# Altium PCB IT_Asset_Tracking_Rack_Controller-H743.PcbDoc (part 1 of 4) (continued)
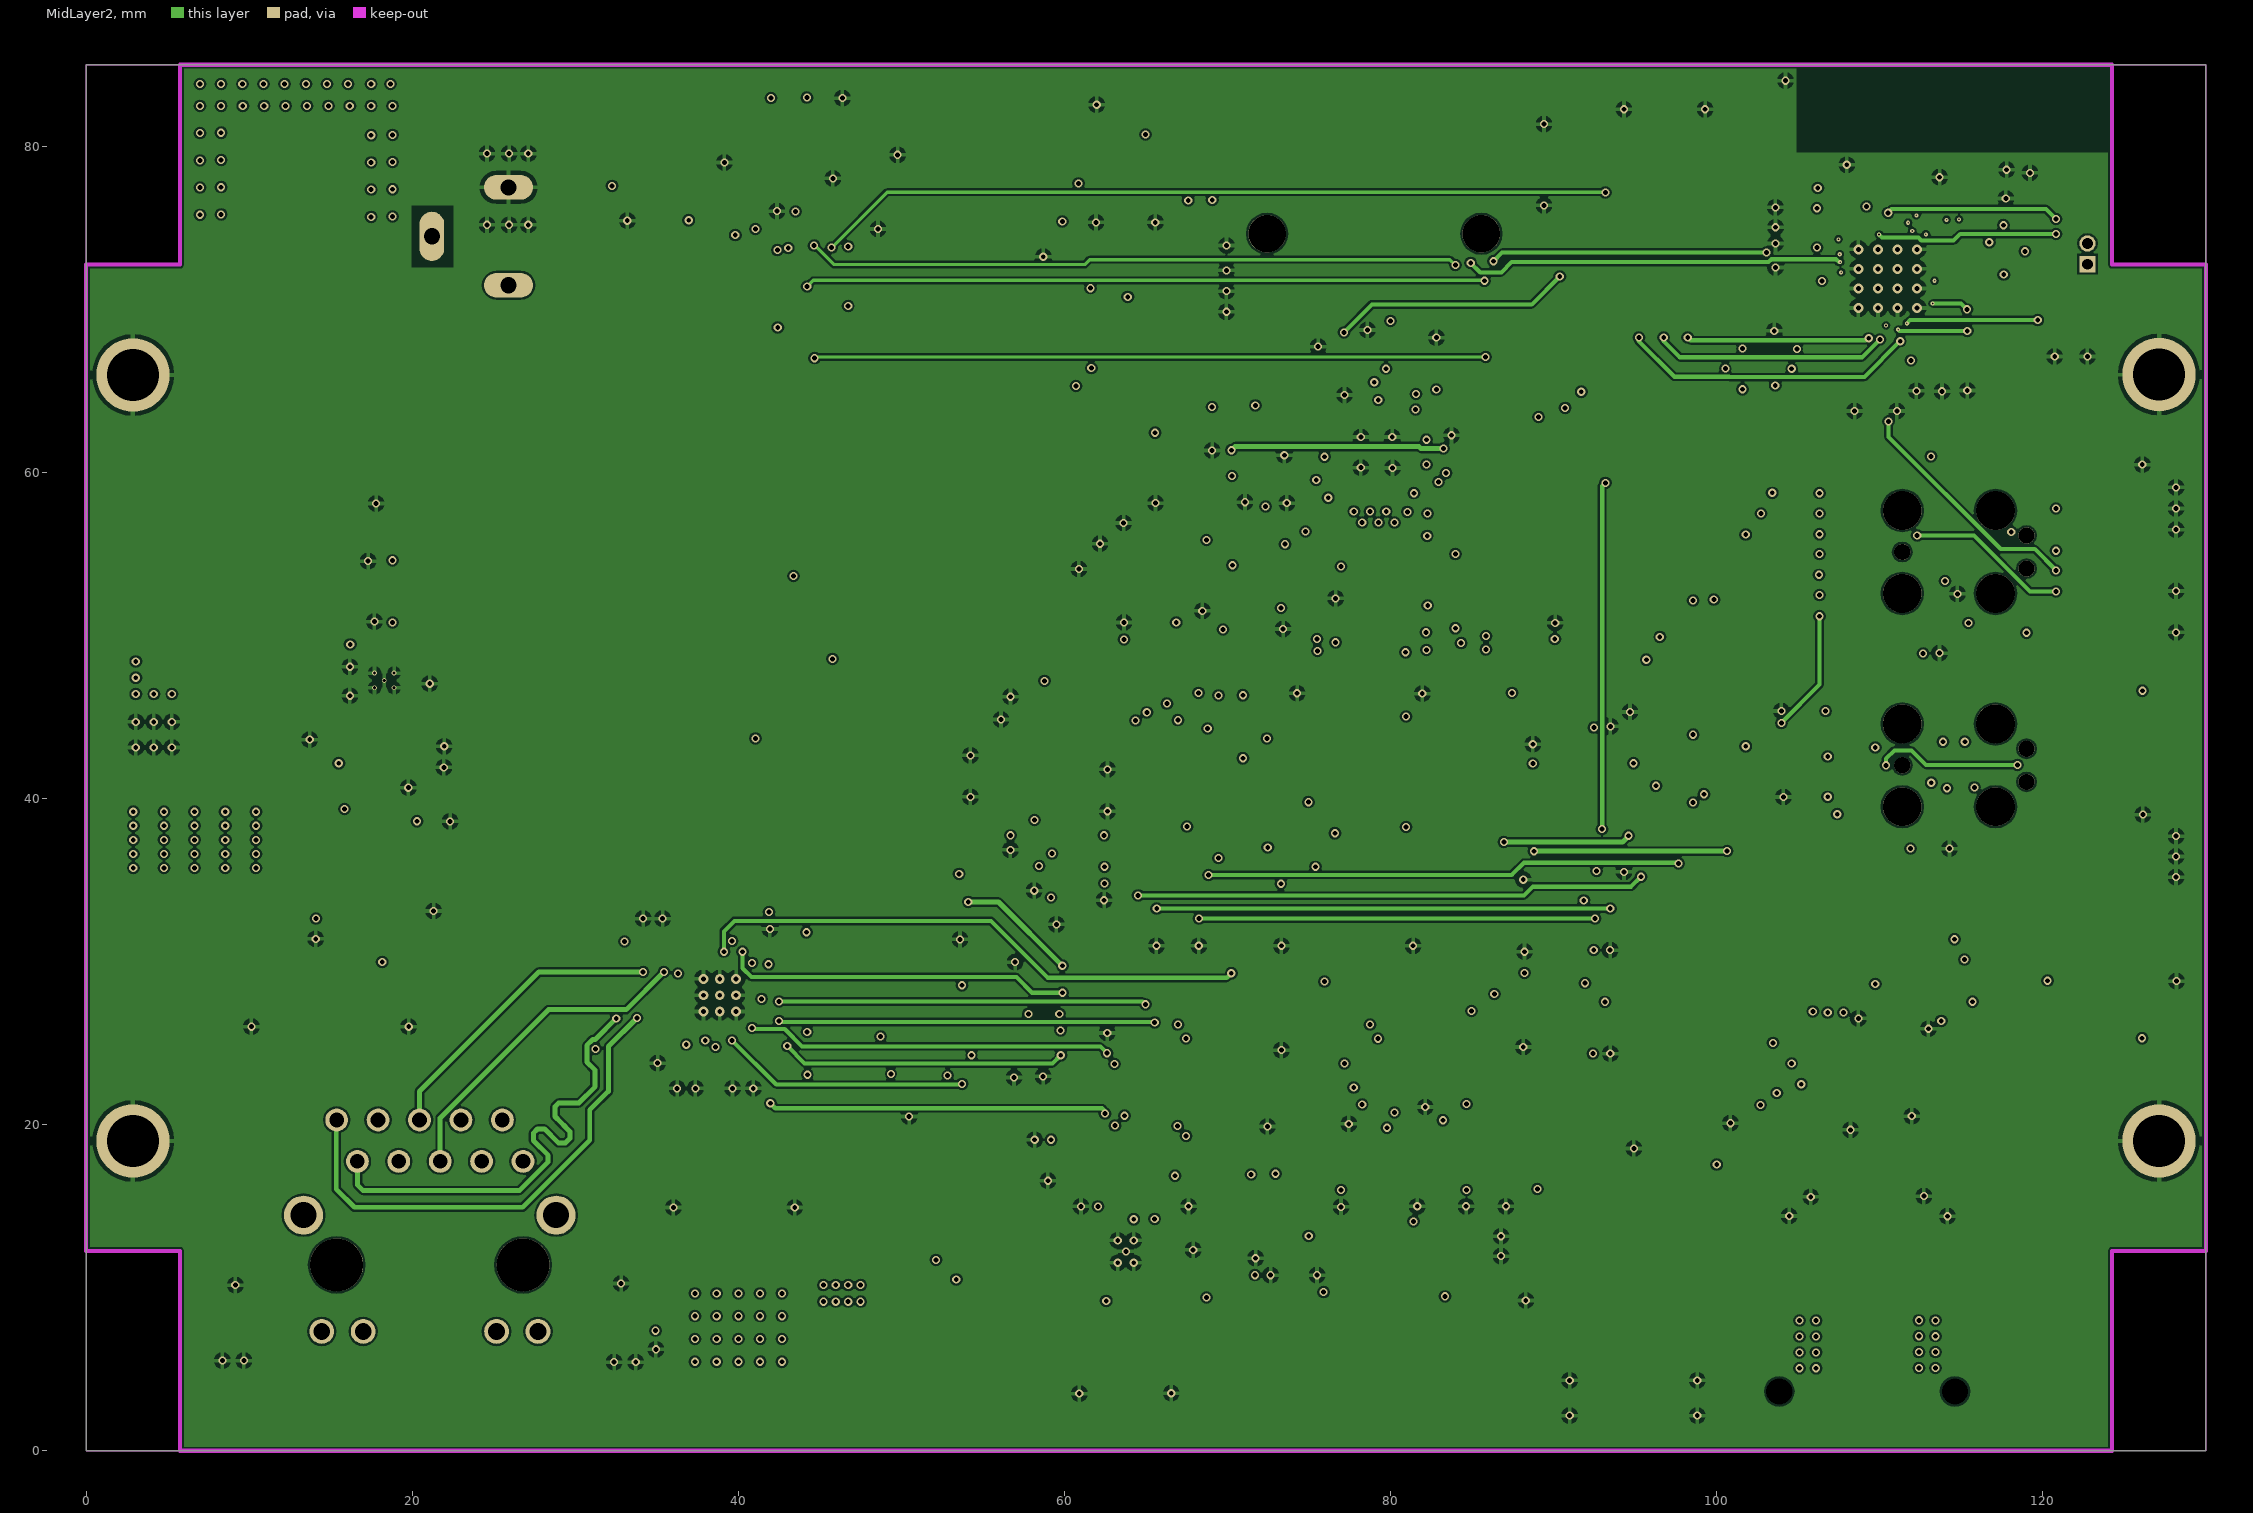
[diagram p3: MidLayer2]
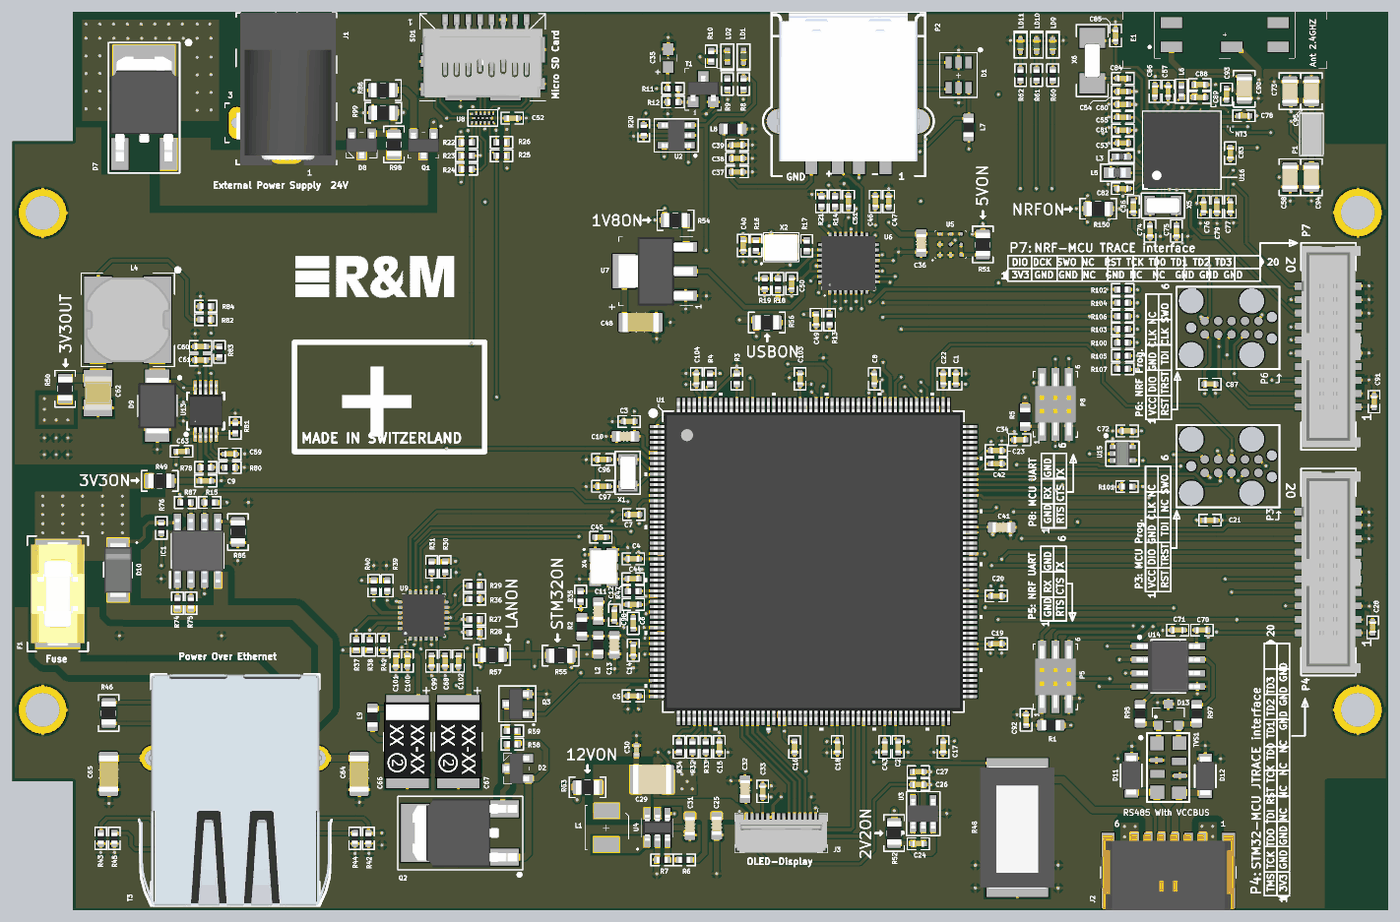
[diagram p7: 3D render of the assembled board from above, using the file's embedded part models]

## Layer stack, top to bottom
Top Solder: solder mask 0.0102, Solder Resist, Dk 3.5
Top Layer: signal copper 0.0356
Dielectric1: core 0.6125, FR-4, Dk 4.8
MidLayer1: signal copper 0.0356
Dielectric2: prepreg 0.6125, FR-4, Dk 4.8
MidLayer2: signal copper 0.0356
Dielectric3: core 0.6125, FR-4, Dk 4.8
Bottom Layer: signal copper 0.0356
Bottom Solder: solder mask 0.0102, Solder Resist, Dk 3.5

## Board outline
0,0 130,0 130,85 0,85
cut-out: 130,0 124.25,0 124.25,12.26 130,12.26
cut-out: 130,72.74 124.25,72.74 124.25,85 130,85
cut-out: 5.75,72.74 0,72.74 0,85 5.75,85
cut-out: 0,0 5.75,0 5.75,12.26 0,12.26

## Design rules (kind name [scope] priority, off if disabled: settings)
Clearance Clearance_HV [InNet('V_POE+') OR InNet('VPORTP') OR InNet('V_POE-')  OR InNet('VCCBUS')] p1: gap=0.127 ignorepadtopadclearanceinfootprint=TRUE except(0.635: Arc-Fill Arc-Poly Arc-Region Track-Fill Track-Poly Track-Region Fill-Fill Fill-Poly Fill-Region Poly-Poly Poly-Region Region-Region)
Clearance Clearance_BGA_NRF [WithinRoom('BGA_NRF')] p2: gap=0.08 ignorepadtopadclearanceinfootprint=TRUE
Clearance [All] p3: gap=0.127 ignorepadtopadclearanceinfootprint=TRUE
DiffPairsRouting [All] p1: maxlimit=0.254 minlimit=0.254 mostfreqgap=0.254 toplayer_minwidth=0.203 toplayer_maxwidth=0.381 toplayer_prefwidth=0.305 midlayer1_minwidth=0.203 midlayer1_maxwidth=0.381 midlayer1_prefwidth=0.305 midlayer2_minwidth=0.203 midlayer2_maxwidth=0.381 midlayer2_prefwidth=0.305 bottomlayer_minwidth=0.203 bottomlayer_maxwidth=0.381 bottomlayer_prefwidth=0.305 maxuncoupledlength=12.7
HoleSize [All] p1: absolutevalues=TRUE maxlimit=25.4 minlimit=0.025 maxpercent=80.000 minpercent=20.000
MinimumSolderMaskSliver [All] p1: minsoldermaskwidth=0
PolygonConnect PolygonConnect_1 [All vs IsNamedPolygon('MCU_3.3V')] p1: connectstyle=Relief reliefconductorwidth=0.254 reliefentries=4 polygonreliefangle="90 Angle" airgapwidth=0.254
PolygonConnect [All] p2: connectstyle=Relief reliefconductorwidth=0.254 reliefentries=4 polygonreliefangle="90 Angle" airgapwidth=0.254
RoomDefinition IT_Asset_Tracking_Rack_Controller-H743 [InComponentClass('IT_Asset_Tracking_Rack_Controller-H743')] p1: confinementstyle=ConfineIn formatcopy=TRUE lockcomponents=FALSE outline -1.168,-1.473 153.441,-1.473 153.441,80.975 -1.168,80.975
RoomDefinition USB [InComponentClass('USB')] p2: confinementstyle=ConfineIn formatcopy=TRUE lockcomponents=FALSE outline -1.422,-1.295 128.753,-1.295 128.753,106.909 -1.422,106.909
RoomDefinition "RS 485" [InComponentClass('RS 485')] p3: confinementstyle=ConfineIn formatcopy=TRUE lockcomponents=FALSE outline -1.422,-1.295 151.486,-1.295 151.486,83.617 -1.422,83.617
RoomDefinition "Power Over Ethernet" [InComponentClass('Power Over Ethernet')] p4: confinementstyle=ConfineIn formatcopy=TRUE lockcomponents=FALSE outline -1.422,-1.295 149.2,-1.295 149.2,85.827 -1.422,85.827
RoomDefinition Power_Supplies [InComponentClass('Power_Supplies')] p5: confinementstyle=ConfineIn formatcopy=TRUE lockcomponents=FALSE outline -1.422,-1.295 131.064,-1.295 131.064,104.546 -1.422,104.546
RoomDefinition NRF52840 [InComponentClass('NRF52840')] p6: confinementstyle=ConfineIn formatcopy=TRUE lockcomponents=FALSE outline -1.422,-1.295 146.71,-1.295 146.71,88.443 -1.422,88.443
RoomDefinition "Micro SD Card" [InComponentClass('Micro SD Card')] p7: confinementstyle=ConfineIn formatcopy=TRUE lockcomponents=FALSE outline -1.422,-1.295 141.732,-1.295 141.732,94.209 -1.422,94.209
RoomDefinition "MCU PWR" [InComponentClass('MCU PWR')] p8: confinementstyle=ConfineIn formatcopy=TRUE lockcomponents=FALSE outline -1.422,-1.295 144.221,-1.295 144.221,91.211 -1.422,91.211
RoomDefinition MCU_STM32H743BI [InComponentClass('MCU_STM32H743BI')] p9: confinementstyle=ConfineIn formatcopy=TRUE lockcomponents=FALSE outline -1.422,-1.295 133.909,-1.295 133.909,101.676 -1.422,101.676
RoomDefinition Ethernet [InComponentClass('Ethernet')] p10: confinementstyle=ConfineIn formatcopy=TRUE lockcomponents=FALSE outline -1.422,-1.041 136.22,-1.041 136.22,99.441 -1.422,99.441
RoomDefinition Connectors [InComponentClass('Connectors')] p11: confinementstyle=ConfineIn formatcopy=TRUE lockcomponents=FALSE outline -1.422,-1.295 139.065,-1.295 139.065,96.698 -1.422,96.698
RoutingVias [All] p1: holewidth=0.3 width=0.5 viastyle="Through Hole" minholewidth=0.1 minwidth=0.25 maxholewidth=0.3 maxwidth=1.27 useviatemplates=TRUE viatemplateguid#1={06384772-84E1-4100-A9BC-1C0C8F3121B2} viatemplatename#1=v50h30m0mx0
SilkToSilkClearance [All] p1: silktosilkclearance=0
SilkToSolderMaskClearance [IsPad] p1: minsilkscreentomaskgap=0.178 clearancetoexposedcopper=TRUE
SolderMaskExpansion [All] p1: expansion=0.102
UnpouredPolygon [All] p1: allowunpoured=TRUE
Width [All] p1: maxlimit=1.524 minlimit=0.102 preferedwidth=0.254 minimp=50.000000 maximp=50.000000 favimp=50.000000
24 further rules are at their usual default settings.

## Classes and differential pairs
component class IT_Asset_Tracking_Rack_Controller-H743: SYMBOL_But SYMBOL_Top
net class USB_D[0..7]: USB_D0 USB_D1 USB_D2 USB_D3 USB_D4 USB_D5 USB_D6 USB_D7
component class USB: C35 C37 C38 C39 C40 C46 C47 C49 C50 C51 D1 L7 L8 LD1 LD2 P2 R8 R9 R10 R11 R12 R13 R14 R16 R17 R18 R19 R20 R21 R56 T1 U2 U6 X2
component class "RS 485": C70 C71 C72 D2 D11 D12 D13 J2 Q2 Q3 R48 R58 R59 R95 R97 R100 R101 R102 R103 R104 R105 R106 R107 TVS1 U14 U15
component class "Power Over Ethernet": C64 C65 R46 T3
component class Power_Supplies: C9 C24 C26 C27 C29 C30 C31 C36 C48 C59 C60 C61 C62 C63 D7 D8 D9 D10 F1 IC1 J1 L1 L4 Q1 R6 R7 R15 R49 R50 R51 R52 R53 R54 R74 R75 R76 R78 R80 R81 R82 R83 R84 R85 R86 R87 R98 R99 U3 U4 U5 U7 U13
component class NRF52840: C53 C54 C55 C56 C57 C58 C73 C74 C75 C76 C77 C78 C79 C80 C81 C82 C83 C84 C85 C86 C88 C89 C90 C93 C94 C95 E1 L3 L5 L6 LD9 LD10 LD11 NT3 P1 R60 R61 R62 R150 U16 X5 X6
component class "Micro SD Card": C52 R22 R23 R24 R25 R26 SD1 U8
component class "MCU PWR": C1 C2 C3 C4 C5 C6 C7 C8 C10 C11 C12 C13 C14 C15 C16 C17 C18 C19 C20 C22 C23 C41 C42 C43 C103 C104 L2 R2 R55
component class MCU_STM32H743BI: C44 C45 C96 C97 C98 R3 R4 R35 R47 U1 X1 X4
component class Ethernet: C66 C67 C68 C99 C100 C101 C102 L9 R27 R28 R29 R30 R31 R32 R33 R34 R36 R37 R38 R39 R40 R41 R42 R43 R44 R45 R57 U9
component class Connectors: C21 C25 C28 C32 C33 C34 C87 C91 C92 J3 P3 P4 P5 P6 P7 P8 R1 R5
differential pair TXO: +TXO_P -TXO_N
differential pair RXI: +RXI_P -RXI_N
differential pair D: +D_P -D_N

## Components (designator, comment, footprint, x,y, rotation, side; value= is the part's Value field where it differs from the comment)
C1 "100nF" "CERAMIC CAPACITOR 0402 EIA" 89.154,50.286 r270 top
C2 "100nF" "CERAMIC CAPACITOR 0402 EIA" 83.693,15.494 r90 top
C3 "100nF" "CERAMIC CAPACITOR 0402 EIA" 58.287,46.253 r0 top
C4 "100nF" "CERAMIC CAPACITOR 0402 EIA" 58.674,33.274 r0 top
C5 "100nF" "CERAMIC CAPACITOR 0402 EIA" 58.674,20.32 r0 top
C6 "100nF" "CERAMIC CAPACITOR 0402 EIA" 58.674,27.178 r270 top
C7 "100nF" "CERAMIC CAPACITOR 0402 EIA" 58.725,37.465 r0 top
C8 "100nF" "CERAMIC CAPACITOR 0402 EIA" 81.442,50.286 r270 top
C9 "4.7uF" "CERAMIC CAPACITOR 0402 EIA" 18.288,40.64 r180 top
C10 "4.7uF" "CERAMIC CAPACITOR 0603 EIA" 57.937,44.856 r0 top
C11 "1uF" "CERAMIC CAPACITOR 0603 EIA" 55.372,28.321 r270 top
C12 "100nF" "CERAMIC CAPACITOR 0402 EIA" 56.896,27.94 r270 top
C13 "1uF" "CERAMIC CAPACITOR 0603 EIA" 56.896,25.146 r90 top
C14 "100nF" "CERAMIC CAPACITOR 0402 EIA" 58.674,24.638 r90 top
C15 "100nF" "CERAMIC CAPACITOR 0402 EIA" 66.802,15.494 r90 top
C16 "100nF" "CERAMIC CAPACITOR 0402 EIA" 73.914,15.494 r90 top
C17 "100nF" "CERAMIC CAPACITOR 0402 EIA" 87.935,15.494 r90 top
C18 "100nF" "CERAMIC CAPACITOR 0402 EIA" 77.953,15.494 r90 top
C19 "100nF" "CERAMIC CAPACITOR 0402 EIA" 92.964,25.248 r180 top
C20 "100nF" "CERAMIC CAPACITOR 0402 EIA" 92.964,29.769 r180 top
C21 "0.1uF" "CERAMIC CAPACITOR 0402 EIA" 113.157,36.932 r180 top
C22 "100nF" "CERAMIC CAPACITOR 0402 EIA" 87.942,50.286 r270 top
C23 "100nF" "CERAMIC CAPACITOR 0402 EIA" 92.964,43.51 r180 top
C24 "1uF" "CERAMIC CAPACITOR 0402 EIA" 85.598,6.35 r180 top
C25 "4.7uF" "CERAMIC CAPACITOR 0603 EIA" 66.548,8.04 r90 top
C26 "1uF" "CERAMIC CAPACITOR 0402 EIA" 85.598,11.938 r180 top
C27 "0.1uF" "CERAMIC CAPACITOR 0402 EIA" 85.598,13.157 r180 top
C28 "0.1uF" "CERAMIC CAPACITOR 0402 EIA" 128.524,26.797 r270 top
C29 "100uF" "Ceramic Capacitor 1210 EIA" 60.452,12.446 r180 top
C30 "4.7uF" "CAP-0402[1005] - RFL" 58.979,15.189 r90 top
C31 "4.7uF" "CERAMIC CAPACITOR 0603 EIA" 64.033,8.015 r90 top
C32 "4.7uF" "CERAMIC CAPACITOR 0603 EIA" 69.24,11.506 r270 top
C33 "0.1uF" "CERAMIC CAPACITOR 0402 EIA" 70.894,11.303 r270 top
C34 "0.1uF" "CERAMIC CAPACITOR 0402 EIA" 95.182,44.526 r0 top
C35 "4.70uF" CAPC1608X90 61.976,80.594 r90 top
C36 "4.7uF" "CERAMIC CAPACITOR 0603 EIA" 85.877,63.119 r90 top
C37 "0.1uF" "CERAMIC CAPACITOR 0402 EIA" 68.478,69.85 r180 top
C38 "0.1uF" "CERAMIC CAPACITOR 0402 EIA" 68.478,71.12 r180 top
C39 "0.1uF" "CERAMIC CAPACITOR 0402 EIA" 68.478,72.39 r180 top
C40 "100nF" "CERAMIC CAPACITOR 0402 EIA" 69.053,62.89 r90 top
C41 "1uF" "CERAMIC CAPACITOR 0603 EIA" 93.472,36.246 r180 top
C42 "2.2uF" "CERAMIC CAPACITOR 0402 EIA" 92.972,42.266 r180 top
C43 "2.2uF" "CERAMIC CAPACITOR 0402 EIA" 82.423,15.494 r90 top
C44 "11pF" "CERAMIC CAPACITOR 0402 EIA" 58.649,31.394 r180 top
C45 "11pF" "CERAMIC CAPACITOR 0402 EIA" 55.601,35.331 r180 top
C46 "100nF" "CERAMIC CAPACITOR 0402 EIA" 81.534,67.056 r270 top
C47 "2.2uF" "CERAMIC CAPACITOR 0402 EIA" 82.804,67.056 r270 top
C48 "10uF" "Ceramic Capacitor 1206 - Tantal" 59.36,55.626 r0 top
C49 "100nF" "CERAMIC CAPACITOR 0402 EIA" 75.946,55.88 r90 top
C50 "100nF" "CERAMIC CAPACITOR 0402 EIA" 73.635,59.284 r90 top
C51 "100nF" "CERAMIC CAPACITOR 0402 EIA" 78.994,67.056 r270 top
C52 "100nF" "CERAMIC CAPACITOR 0402 EIA" 47.244,74.93 r180 top
C53 "4.7uF" "CERAMIC CAPACITOR 0402 EIA" 104.927,72.568 r0 top
C54 "100nF" "CERAMIC CAPACITOR 0402 EIA" 104.927,77.445 r0 top
C55 "DNP" "CERAMIC CAPACITOR 0402 EIA" 104.927,75.006 r0 top
C56 "0.1uF" "CERAMIC CAPACITOR 0402 EIA" 105.918,66.548 r90 top
C57 "DNP" "CERAMIC CAPACITOR 0402 EIA" 109.198,77.462 r270 top
C58 "130pF" "CERAMIC CAPACITOR 0805 EIA" 120.701,69.342 r90 top
C59 "6.8nF" "CERAMIC CAPACITOR 0402 EIA" 20.574,43.18 r180 top
C60 "3nF" "CERAMIC CAPACITOR 0402 EIA" 17.805,53.34 r0 top
C61 "10pF" "CERAMIC CAPACITOR 0402 EIA" 17.805,52.07 r0 top
C62 "100uF" "CAP-1210[3225] - RFL" 8.122,48.946 r270 top
C63 "0.1uF" "CERAMIC CAPACITOR 0402 EIA" 16.002,43.434 r0 top
C64 "1nF/2KV" "Ceramic Capacitor 1206 EIA" 32.766,12.954 r90 top
C65 "1nF/2KV" "Ceramic Capacitor 1206 EIA" 9.117,12.954 r90 top
C66 "10uF" 293D106X9010A2TE3 37.338,16.002 r270 top
C67 "10uF" 293D106X9010A2TE3 42.164,16.002 r270 top
C68 "470pF" "CERAMIC CAPACITOR 0402 EIA" 40.894,23.622 r90 top
C70 "0.1uF" "CERAMIC CAPACITOR 0402 EIA" 112.395,26.543 r180 top
C71 "10uF" "CERAMIC CAPACITOR 0402 EIA" 110.109,26.543 r0 top
C72 "0.1uF" "CERAMIC CAPACITOR 0402 EIA" 105.334,45.364 r0 top
C73 "130pF" "CERAMIC CAPACITOR 0805 EIA" 120.701,77.47 r270 top
C74 "12pF" "CERAMIC CAPACITOR 0402 EIA" 107.493,64.262 r270 top
C75 "12pF" "CERAMIC CAPACITOR 0402 EIA" 109.982,64.262 r270 top
C76 "4.7uF" "CERAMIC CAPACITOR 0402 EIA" 112.547,66.548 r90 top
C77 "4.7uF" "CERAMIC CAPACITOR 0402 EIA" 115.062,66.548 r90 top
C78 "100nF" "CERAMIC CAPACITOR 0402 EIA" 116.357,75.159 r180 top
C79 "4.7uF" "CERAMIC CAPACITOR 0402 EIA" 113.792,66.548 r90 top
C80 "DNP" "CERAMIC CAPACITOR 0402 EIA" 104.927,76.225 r180 top value=1uF
C81 "1uF" "CERAMIC CAPACITOR 0402 EIA" 104.927,73.787 r0 top
C82 "1uF" "CERAMIC CAPACITOR 0402 EIA" 104.902,68.275 r0 top
C83 "100nF" "CERAMIC CAPACITOR 0402 EIA" 115.062,71.628 r90 top
C84 "12pF" "CERAMIC CAPACITOR 0402 EIA" 104.927,78.689 r180 top
C85 "12pF" "CERAMIC CAPACITOR 0402 EIA" 104.242,82.728 r270 top
C86 "100pF" "CERAMIC CAPACITOR 0402 EIA" 107.95,77.47 r270 top
C87 "0.1uF" "CERAMIC CAPACITOR 0402 EIA" 113.157,49.784 r180 top
C88 "0.8pF" "CERAMIC CAPACITOR 0402 EIA" 112.192,78.105 r0 top
C89 "0.5pF" "CERAMIC CAPACITOR 0402 EIA" 112.192,76.886 r180 top
C90 "DNP" "CERAMIC CAPACITOR 0805 EIA" 116.383,77.699 r90 top
C91 "0.1uF" "CERAMIC CAPACITOR 0402 EIA" 128.651,48.133 r270 top
C92 "0.1uF" "CERAMIC CAPACITOR 0402 EIA" 95.783,18.051 r270 top
C93 "820pF" "CERAMIC CAPACITOR 0402 EIA" 114.706,77.191 r270 top
C94 "DNP" "CERAMIC CAPACITOR 0805 EIA" 122.733,69.342 r90 top
C95 "DNP" "CERAMIC CAPACITOR 0805 EIA" 122.733,77.47 r270 top
C96 "10pF" "CERAMIC CAPACITOR 0402 EIA" 55.804,42.672 r0 top
C97 "10pF" "CERAMIC CAPACITOR 0402 EIA" 55.804,40.132 r0 top
C98 "0.1uF" "CERAMIC CAPACITOR 0402 EIA" 58.674,28.956 r0 top
C99 "1uF" "CERAMIC CAPACITOR 0402 EIA" 39.624,23.622 r90 top
C100 "0.1uF" "CERAMIC CAPACITOR 0402 EIA" 37.338,23.622 r90 top
C101 "0.1uF" "CERAMIC CAPACITOR 0402 EIA" 36.246,23.622 r90 top
C102 "0.1uF" "CERAMIC CAPACITOR 0402 EIA" 42.164,23.622 r90 top
C103 "100nF" "CERAMIC CAPACITOR 0402 EIA" 74.422,50.286 r270 top
C104 "100nF" "CERAMIC CAPACITOR 0402 EIA" 64.643,50.286 r270 top
D1 "ESDA5V3L" SOT23-6L 89.408,78.994 r270 top
D2 "SZBZX84C10LT1G" SOT-23_BZX84 47.752,13.462 r0 top
D7 "MBRD5H100T4G" DPAK_MBRD5H 12.471,75.363 r270 top
D8 "SZBZX84C10LT1G" SOT-23_BZX84 33.02,72.492 r90 top
D9 "B360B-13-F" SMB 13.716,47.752 r270 top
D10 "SZ1SMA58AT3G" SMA_SZ1SMA58AT3G 10.008,32.214 r270 top
D11 "P0080S4BLRP" P0080S4BLRP 105.715,12.827 r270 top
D12 "P0080S4BLRP" P0080S4BLRP 112.71,12.774 r270 top
D13 "CDSOT23-SM712" BOUR-SOT23-3_V 109.22,18.542 r90 top
E1 "ANT 2.4GHZ" XCVR_A5839 114.554,82.804 r0 top
F1 "375mA/125VAC" Littlefuse_Holder 4.318,29.972 r90 top
IC1 "NCP1092" SOIC127P602X173-8N 17.526,34.036 r90 top
J1 "CP-102AH-ND" CUI_PJ-102AH 25.908,77.978 r90 top
J2 "CONN_Erni" "ERNI_214013 RANDMONTAGE_6_R" 109.22,3.937 r180 top
J3 "5034801400" MOLEX_5034801400 72.644,7.366 r0 top
L1 "10µH, 200mΩ" FDSD0420 56.134,7.874 r270 top value="10µH, 200mO"
L2 "600R(Z)" "Inductor 0603 EIA" 55.372,25.146 r90 top
L3 "15nH" INDC1005X55N 104.792,71.298 r180 top value=15uH
L4 "8.2uH 45mOhm" SRN80408R2Y 10.922,55.88 r180 top value=8.2µH
L5 "10uH" INDC1608X100N 104.394,69.774 r0 top
L6 "3.3nH" LQG15HS3N3S02D 110.439,77.47 r90 top
L7 "120R(Z)" "Inductor 0603 EIA" 90.348,74.056 r90 top
L8 "120R(Z)" "Inductor 0603 EIA" 68.072,73.914 r180 top
L9 "120R(Z)" "Inductor 0603 EIA" 34.036,18.288 r270 top
LD1 "red" LED_APHHS1005CGCK 69.088,80.772 r90 top
LD2 "green" LED_APHHS1005CGCK 67.564,80.772 r90 top
LD9 "green" LED_APHHS1005CGCK 98.298,81.788 r270 top
LD10 "green" LED_APHHS1005CGCK 96.774,81.788 r270 top
LD11 "green" LED_APHHS1005CGCK 95.25,81.788 r270 top
NT3 "Net-Tie_Small" NET_TIE 115.07,74.132 r180 top net-tie
P1 "M50-3530242" CONN_2X01_HARWIN 122.736,73.406 r90 top
P2 "87583-3010RPLF" CONN_RCPT_USB_TYPE_A 78.994,77.216 r0 top
P3 "J-LINK 10-PIN" CONN-SEGGER-10-PIN 115.179,42.037 r0 top
P4 "3220-20-0300-00-TR" CNC_TECH_CONN_HEADER_2X10 124.333,32.004 r90 top
P5 "CONN_2X03" SAMTEC_FTS-103-02-F-DV_6_R 98.552,22.123 r0 top
P6 "J-LINK 10-PIN" CONN-SEGGER-10-PIN 115.179,55.118 r0 top
P7 "3220-20-0300-00-TR" CNC_TECH_CONN_HEADER_2X10 124.333,53.34 r90 top
P8 "CONN_2X03" SAMTEC_FTS-103-02-F-DV_6_R 98.552,47.879 r0 top
Q1 "NTR0202PLT1G" SOT-23_NTR0202PLT1G 38.862,72.466 r90 top
Q2 "FQD17P06TM" DPAK_FQU17P06 43.18,7.366 r0 top
Q3 "2N7002WT1G" SOT323_2N7002WT1G 47.727,19.558 r0 top
R1 "DNP" "Resistor 0603 EIA" 98.12,17.551 r180 top
R2 "0R" "Resistor 0603 EIA" 53.823,26.848 r90 top
R3 "10K" "Resistor 0402 EIA" 68.453,50.292 r90 top
R4 "10K" "Resistor 0402 EIA" 65.913,50.292 r270 top
R5 "DNP" "Resistor 0603 EIA" 95.682,46.66 r270 top
R6 "1M" "Resistor 0402 EIA" 63.5,4.826 r180 top
R7 "71K5" "Resistor 0402 EIA" 61.392,4.826 r180 top
R8 "3K3" "Resistor 0402 EIA" 69.088,78.156 r270 top
R9 "620R" "Resistor 0402 EIA" 67.564,78.156 r90 top
R10 "330R" "Resistor 0402 EIA" 66.04,80.772 r90 top
R11 "47K" "Resistor 0402 EIA" 62.433,77.724 r0 top
R12 "22K" "Resistor 0402 EIA" 62.433,76.454 r180 top
R13 "33R" "Resistor 0402 EIA" 77.216,55.88 r90 top
R14 "820R" "Resistor 0402 EIA" 77.724,67.056 r90 top
R15 "100K" "Resistor 0402 EIA" 18.669,38.608 r180 top
R16 "10K" "Resistor 0402 EIA" 70.273,62.89 r270 top
R17 "51R" "Resistor 0402 EIA" 75.057,62.865 r270 top
R18 "4.7K" "Resistor 0402 EIA" 72.335,59.278 r90 top
R19 "100K" "Resistor 0402 EIA" 71.09,59.278 r270 top
R20 "10K" "Resistor 0402 EIA" 59.665,73.762 r270 top
R21 "8.06K" "Resistor 0402 EIA" 76.454,67.056 r90 top
R22 "47K" "Resistor 0402 EIA" 42.926,72.644 r0 top
R23 "47K" "Resistor 0402 EIA" 42.926,71.374 r0 top
R24 "47K" "Resistor 0402 EIA" 42.926,70.104 r0 top
R25 "47K" "Resistor 0402 EIA" 46.228,71.374 r180 top
R26 "47K" "Resistor 0402 EIA" 46.228,72.644 r180 top
R27 "10K" "Resistor 0402 EIA" 43.688,27.559 r180 top
R28 "10K" "Resistor 0402 EIA" 43.688,26.289 r180 top
R29 "10K" "Resistor 0402 EIA" 43.688,30.734 r180 top
R30 "10K" "Resistor 0402 EIA" 40.894,32.512 r270 top
R31 "1K5" "Resistor 0402 EIA" 39.624,32.512 r270 top
R32 "33R" "Resistor 0402 EIA" 64.262,15.494 r270 top
R33 "33R" "Resistor 0402 EIA" 65.532,15.494 r270 top
R34 "33R" "Resistor 0402 EIA" 62.992,15.494 r270 top
R35 "51R" "Resistor 0402 EIA" 53.696,29.718 r270 top
R36 "10K" "Resistor 0402 EIA" 43.688,29.464 r0 top
R37 "49R9" "Resistor 0402 EIA" 32.512,25.146 r90 top